# Altium PCB 反向放大器.PcbDoc
Units mm, origin at the board's own origin, x right, y up, seen from the top; angles counter-clockwise.
Board outline 40 x 40 mm, 2 copper layers (Top Layer, Bottom Layer); 13 components, 9 nets, 40 pads, 3 vias.
Unrouted connection lines stored in the file: 1.
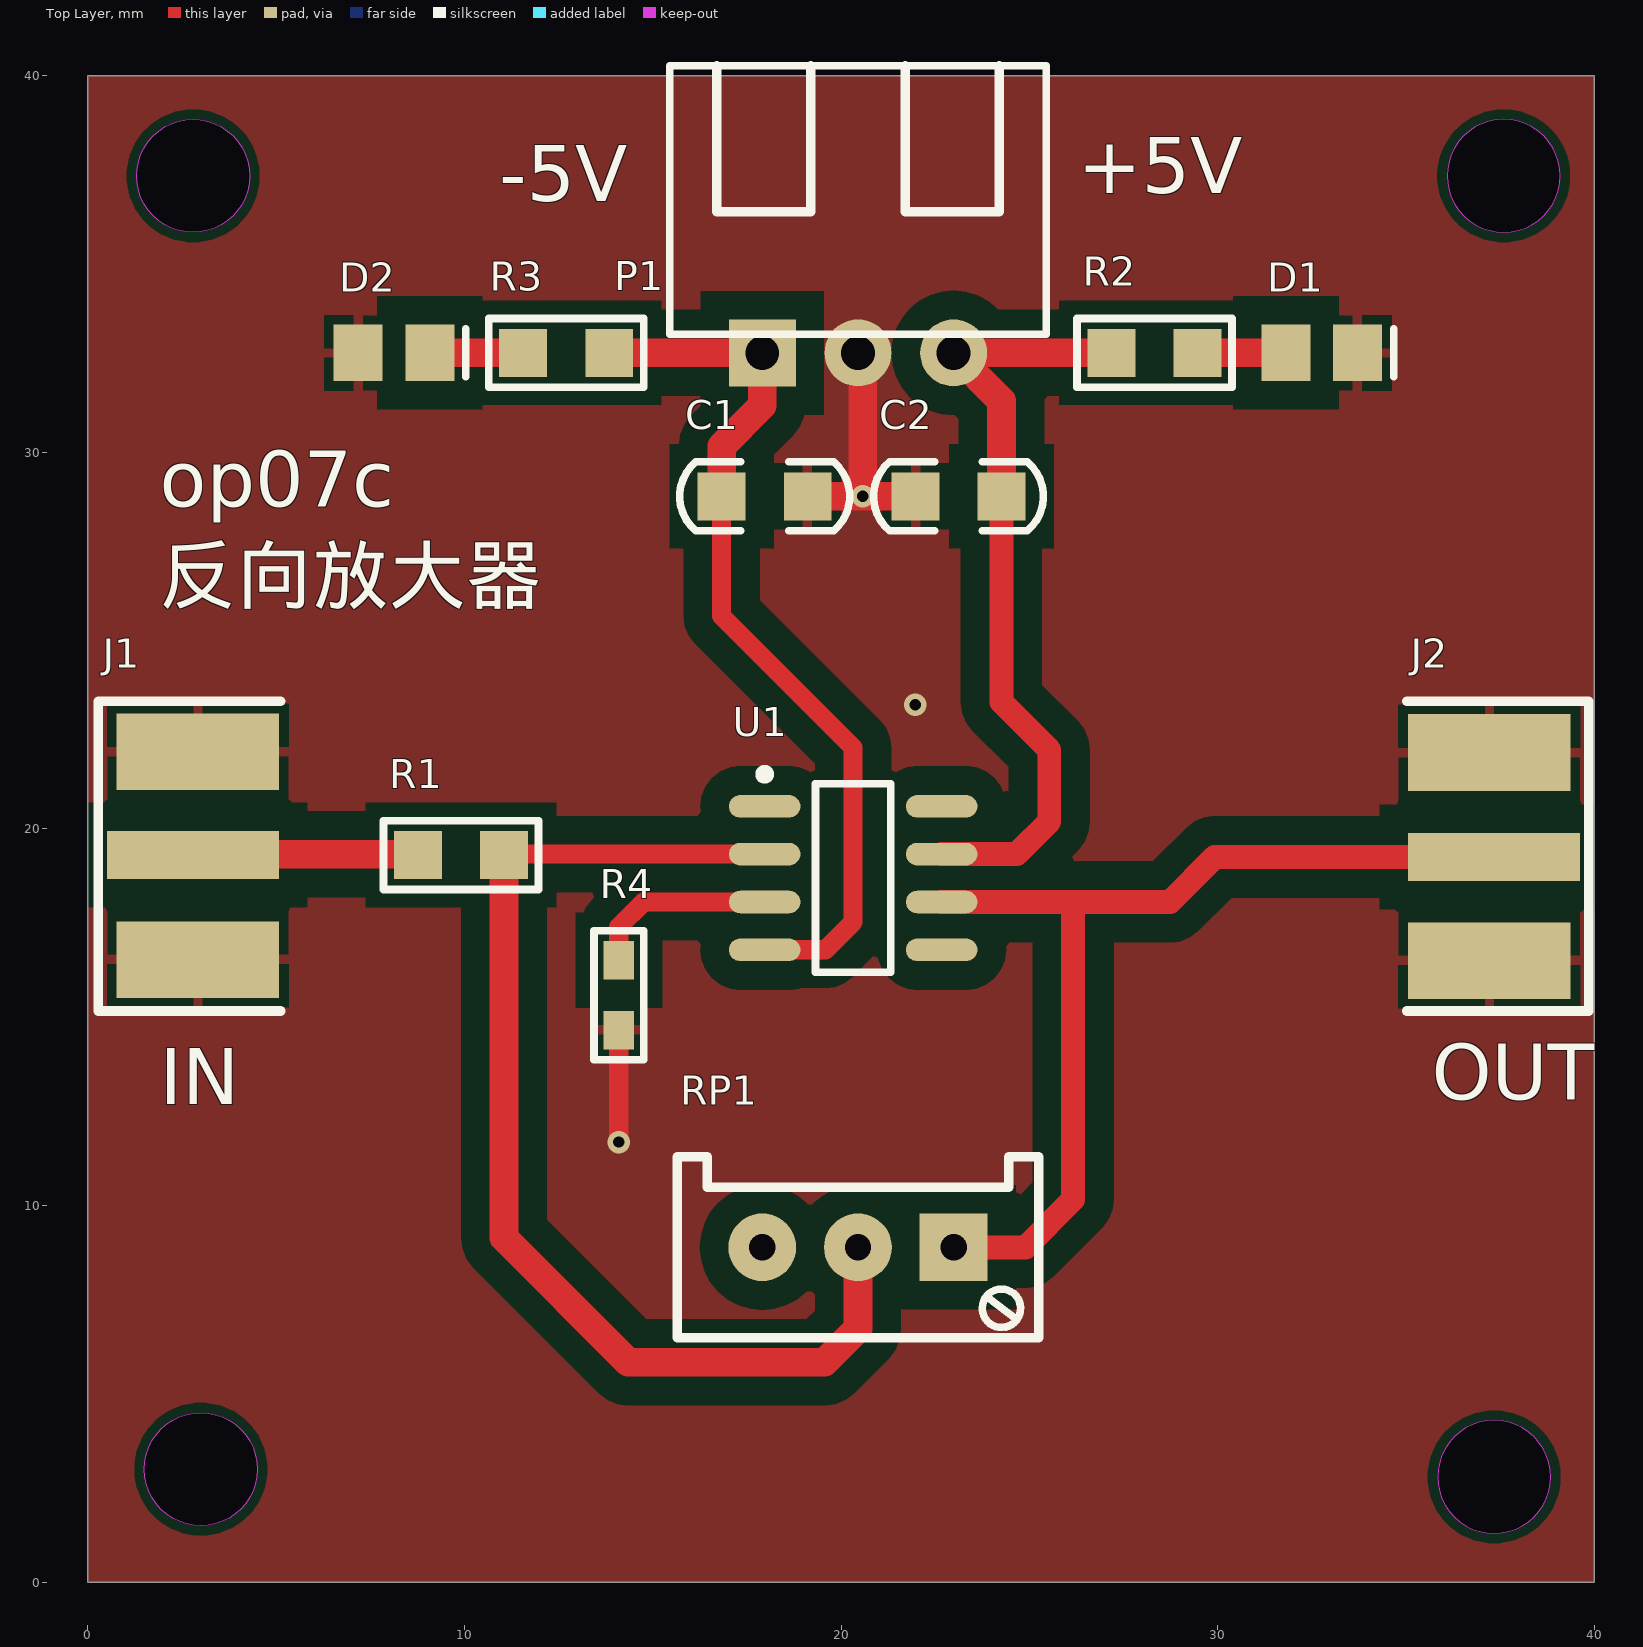
[diagram p0: Top Layer view]
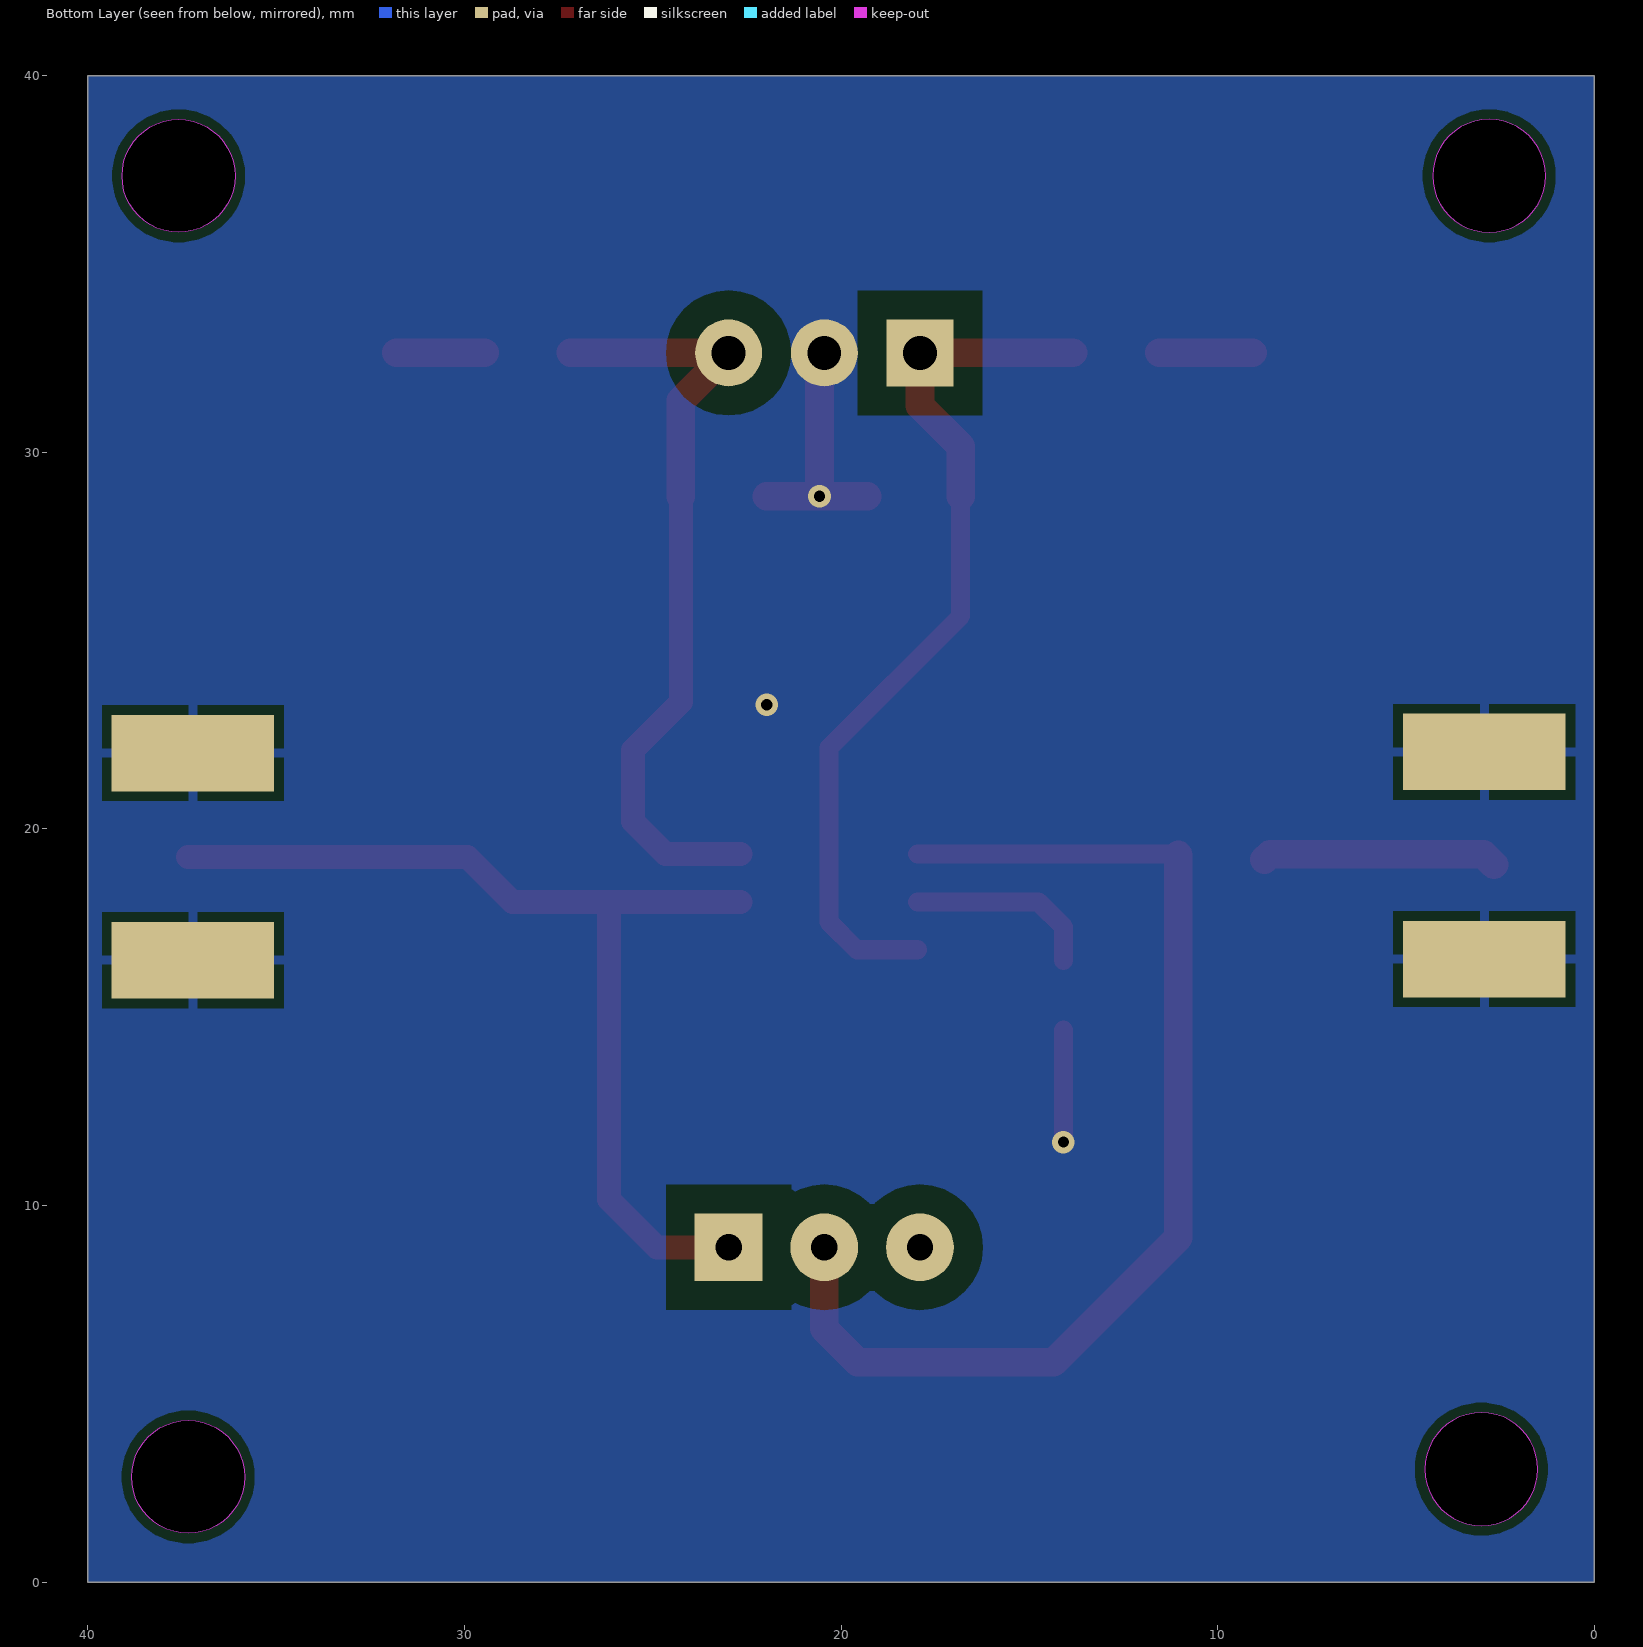
[diagram p1: Bottom Layer view, seen from below]
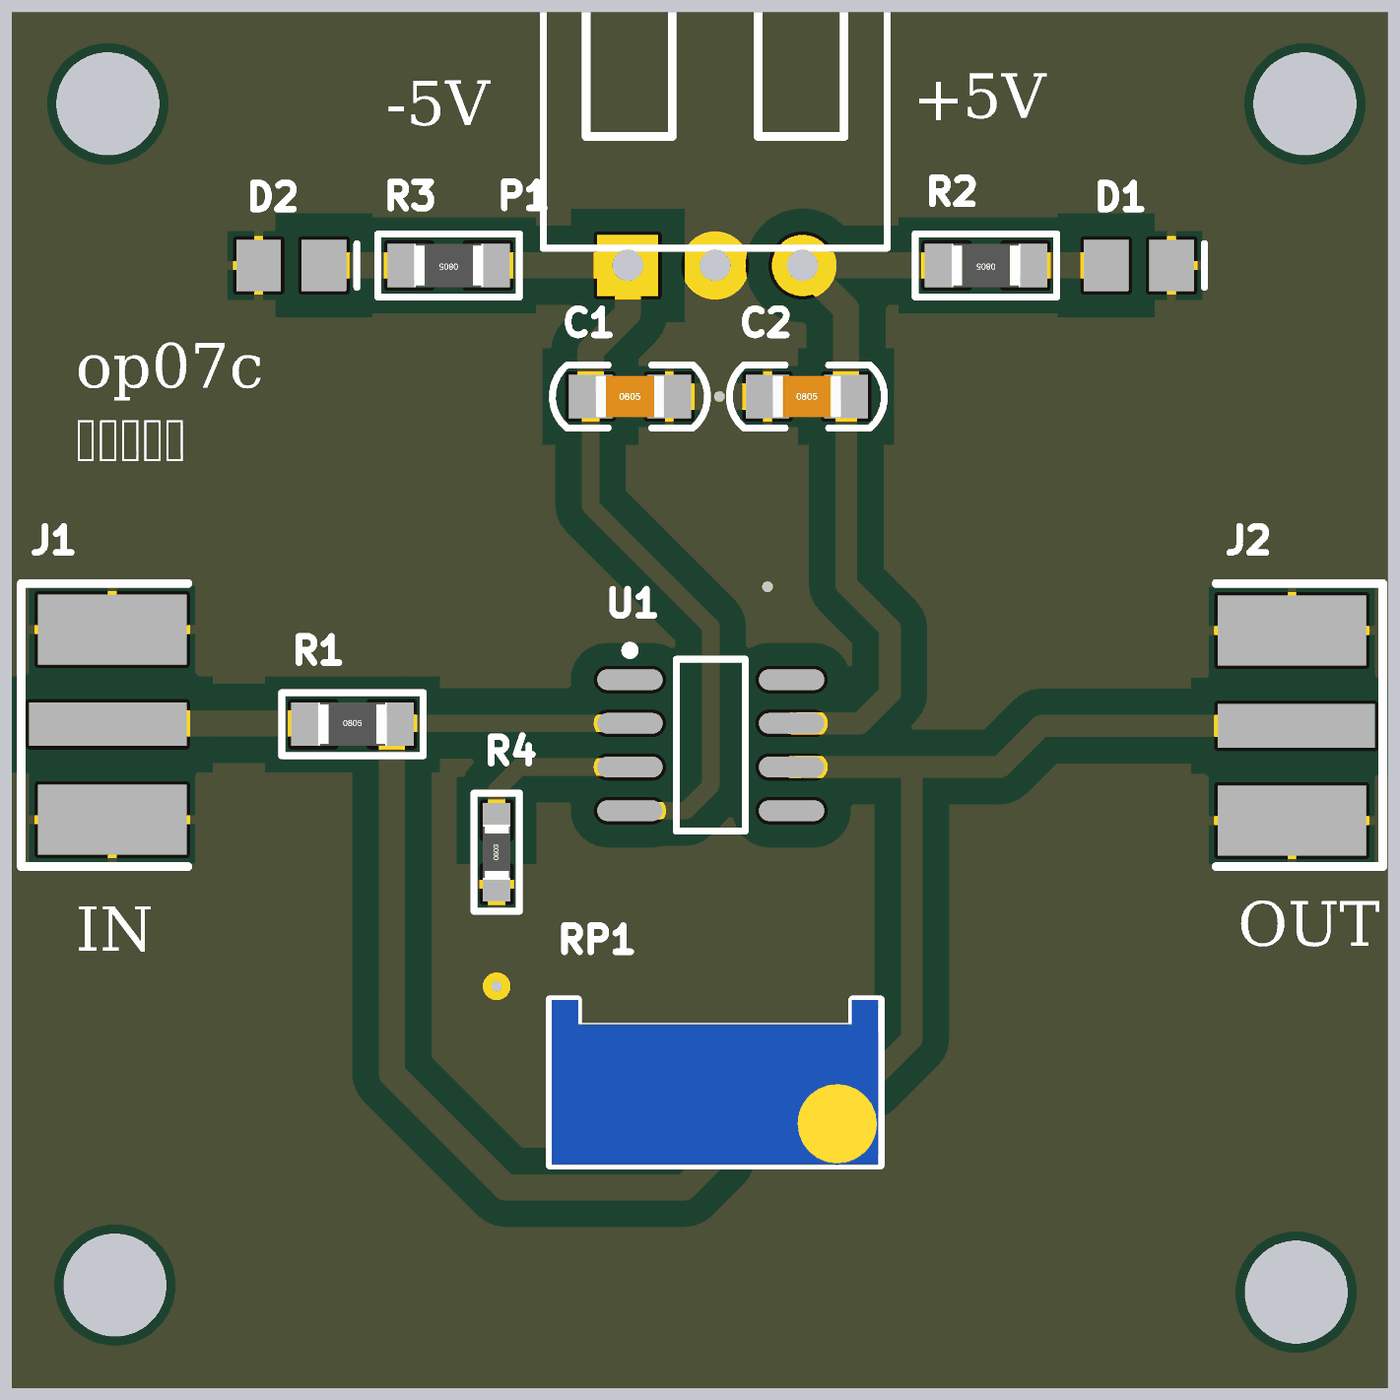
[diagram p2: 3D render of the assembled board from above, using the file's embedded part models]

## Layer stack, top to bottom
Top Solder: solder mask 0.0102, Solder Resist, Dk 3.5
Top Layer: signal copper 0.0356
Dielectric 1: dielectric 0.32, FR-4, Dk 4.8
Bottom Layer: signal copper 0.0356
Bottom Solder: solder mask 0.0102, Solder Resist, Dk 3.5

## Board outline
0,0 40,0 40,40 0,40
cut-out: 2.794,35.838 cw(c2.794,37.338) 1.294,37.338 cw(c2.794,37.338) 2.794,38.838 cw(c2.794,37.338) 4.294,37.338 cw(c2.794,37.338)
cut-out: 36.092,37.338 ccw(c37.592,37.338) 37.592,35.838 ccw(c37.592,37.338) 39.092,37.338 ccw(c37.592,37.338) 37.592,38.838 ccw(c37.592,37.338)
cut-out: 35.838,2.794 ccw(c37.338,2.794) 37.338,1.294 ccw(c37.338,2.794) 38.838,2.794 ccw(c37.338,2.794) 37.338,4.294 ccw(c37.338,2.794)
cut-out: 3,1.5 cw(c3,3) 1.5,3 cw(c3,3) 3,4.5 cw(c3,3) 4.5,3 cw(c3,3)

## Design rules (kind name [scope] priority, off if disabled: settings)
Clearance [All] p1: gap=0.254 ignorepadtopadclearanceinfootprint=FALSE except(0: Arc-Hole Track-Hole SMDPad-Hole THPad-Hole Via-Hole Fill-Hole Poly-Hole Region-Hole Text-Hole; 0.762: Arc-Poly Track-Poly SMDPad-Poly THPad-Poly Via-Poly Fill-Poly Poly-Poly)
PolygonConnect [All] p1: thpad.connectstyle=Direct thpad.reliefconductorwidth=0.254 thpad.reliefentries=4 thpad.polygonreliefangle="90 Angle" thpad.airgapwidth=0.254 smdpad.connectstyle=Relief smdpad.reliefconductorwidth=0.254 smdpad.reliefentries=4 smdpad.polygonreliefangle="90 Angle" smdpad.airgapwidth=0.254 via.connectstyle=Direct via.reliefconductorwidth=0.254 via.reliefentries=4 via.polygonreliefangle="90 Angle" via.airgapwidth=0.254
RoutingVias [All] p1: holewidth=0.711 width=2.54 viastyle="Through Hole" minholewidth=0.3 minwidth=0.6 maxholewidth=0.711 maxwidth=1.778
SolderMaskExpansion [All] p1: expansion=0.102
Width [All] p1: maxlimit=2.54 minlimit=0.254 preferedwidth=0.762
30 further rules are at their usual default settings.

## Components (designator, comment, footprint, x,y, rotation, side; value= is the part's Value field where it differs from the comment)
C1 "104" "C 0805" 17.97,28.829 r0 top
C2 "104" "C 0805" 23.114,28.829 r0 top
D1 "LED" LED_0805 32.766,32.639 r0 top
D2 "LED" LED_0805 8.128,32.639 r0 top
J1 "COAX" MCX5.08-5-H 2.794,19.304 r180 top
J2 "COAX" MCX5.08-5-H 37.338,19.253 r0 top
P1 "Header 3" HDR3X1_B2 20.447,32.639 r0 top
R1 "10K" "R 0805" 9.906,19.304 r0 top
R2 "1K" "R 0805" 28.321,32.639 r180 top
R3 "1K" "R 0805" 12.7,32.639 r180 top
R4 "0" "R 0603" 14.097,15.583 r90 top
RP1 "20K" 3296W 20.447,8.89 r180 top
U1 "OP07" SO8_L 20.32,18.694 r0 top

## Footprints (in the part's own frame and the unit in brackets; to place one, negate y for a bottom-side part, rotate by r counter-clockwise, add the part's x,y. Pads: shape width x height; smd on the part's side, far side on the other; paste and mask are expansions set on the pad)
3296W [mm] "Precise Multi-Winding Adjustable Resistor"
  rect 1.8x1.8 hole 0.7: 1(-2.54,0)
  round 1.8 hole 0.7: 2(0,0) 3(2.54,0)
  silkscreen extent -4.8,-2.4 4.8,2.4, body extent -4.75,-2.4 4.75,2.4, height 11.52
"C 0805" [mil] "无极性贴片电容"
  rect 50x50 smd: 1(-45,0) 2(45,0)
  silkscreen extent -89,-36 89,36, body extent -39,-24 39,24, height 20
HDR3X1_B2 [mil] "Connector; Header; 3 Position"
  rect 70x70 hole 35.43: 1(-100,0)
  round 70 hole 35.43: 2(0,0) 3(100,0)
  silkscreen extent -197,20 197,300, body extent -197,20 197,300, height 236
LED_0805 [mm] "贴片二极管"
  rect 1.3x1.5 smd: 1(-0.95,0) 2(0.95,0)
  silkscreen extent 1.91,-0.64 1.91,0.64
MCX5.08-5-H [mil]
  rect 180x50 smd: 1(0,0)
  rect 170x80 smd: 2(-5,109.25) 5(-5,-108.27)
  rect 170x80 smd far side: 3(-5,108.66) 4(-5,-107.87)
  silkscreen extent -92,-161 99,163, body extent -93,-132 80,134, height 39
"R 0603" [mil] "1/10W贴片电阻"
  rect 40x31.5 smd: 1(-36.5,0) 2(36.5,0)
  silkscreen extent -68,-26 68,26, body extent -31,-16 32,16, height 16
"R 0805" [mil] "1/8W贴片电阻"
  rect 50x50 smd: 1(-45,0) 2(45,0)
  silkscreen extent -81,-36 81,36, body extent -39,-25 39,25, height 20
SO8_L [mm] "SOIC, 8-Leads, Body 4.9x3.9mm, Pitch 1.27mm, IPC High Density"
  oval 1.9x0.6 smd: 1(-2.35,1.905) 2(-2.35,0.635) 3(-2.35,-0.635) 4(-2.35,-1.905) 5(2.35,-1.905) 6(2.35,-0.635) 7(2.35,0.635) 8(2.35,1.905)
  silkscreen extent -2.47,-2.5 1,2.88, body extent -2,-2.5 2,2.5, height 1.75

## Part data
C1 C2: library part C, "无极性贴片电容"
D1 D2: "发光二极管", LatestRevisionDate=08-Jul-2005, LatestRevisionNote="Mech Layer 1 removed.", PackageReference=LED, Published=8-Jun-2000, Publisher="Altium Limited"
P1: "接插件", LatestRevisionDate=17-Jul-2002, LatestRevisionNote="Re-released for DXP Platform.", Publisher="Altium Limited"
R1 R2 R3 R4: library part R, "贴片电阻"
RP1: library part RP-ID, "插件单联电位器"
U1: "Precision Operational Amplifiers"

## Via types
v1: diameter 0.6, hole 0.3, Top Layer to Bottom Layer, tented both sides, 2 vias
v2: diameter 0.6, hole 0.3, Top Layer to Bottom Layer, 1 vias

## Nets (pads, with @x,y where several pads share a name; then routed paths per layer and width w, separated by ;. In a path a pad name is that pad's centre, name@x,y a point inside that pad or via, vN(x,y) a via of type N, cw(c..) or ccw(c..) an arc to the next point about the centre after c; other vN are vias at no path point)
GND: C1.2 C2.1 D1.2 D2.1 J1.2 J1.3 J1.4 J1.5 J2.2 J2.3 J2.4 J2.5 P1.2 R4.1 | length 9.5
  Top Layer w0.508: v2(14.097,11.684) R4.1
  Top Layer w0.762: C1.2@19.304,28.829 v1(20.574,28.829) ; P1.2 20.574,32.512 v1(20.574,28.829) ; C2.1 v1(20.574,28.829)
  other v1: 21.971,23.298
NetD1_1: D1.1 R2.1 | length 2.4
  Top Layer w0.762: R2.1 D1.1
NetD2_2: D2.2 R3.2 | length 2.5
  Top Layer w0.762: D2.2 R3.2
NetJ1_1: J1.1 R1.1 | length 6.3
  Top Layer w0.762: J1.1@2.667,19.05 2.946,19.329 8.611,19.329 R1.1@8.763,19.177
NetJ2_1: J2.1 RP1.1 U1.6 | length 26.8
  Top Layer w0.635: U1.6 26.162,18.059 ; RP1.1 24.892,8.89 26.162,10.16 26.162,18.059 ; J2.1 29.921,19.253 28.727,18.059 26.162,18.059
NetR1_2: R1.2 RP1.2 U1.2 | length 30.4
  Top Layer w0.508: R1.2@11.049,19.177 11.201,19.329 U1.2
  Top Layer w0.762: R1.2 11.049,19.177 11.049,9.144 14.351,5.842 19.558,5.842 20.447,6.731 RP1.2
NetR4_2: R4.2 U1.3 | length 5
  Top Layer w0.508: R4.2 14.097,17.399 14.757,18.059 U1.3
VCC: C2.2 P1.3 R2.2 U1.7 | length 20.9
  Top Layer w0.635: U1.7 24.663,19.329 25.527,20.193 25.527,22.098 24.257,23.368 C2.2
  Top Layer w0.762: C2.2 24.257,31.369 P1.3 R2.2
VEE: C1.1 P1.1 R3.1 U1.4 | length 23.7
  Top Layer w0.508: C1.1 16.827,25.648 20.32,22.155 20.32,17.526 19.583,16.789 U1.4
  Top Layer w0.762: R3.1 P1.1 17.907,31.242 16.827,30.162 C1.1
pads on no net: RP1.3 U1.1 U1.5 U1.8

## Polygon pours and split planes (outlines as drawn)
GND on Top Layer "Top Layer-No Net" (solid, remove dead copper, pour order 8): 0,0 40,0 40,40 0,40
GND on Bottom Layer "Top Layer-No Net1" (solid, remove dead copper, pour order 9): 0,0 40,0 40,40 0,40

## Silkscreen, mask and mechanical layers (free items; w line width, h text height)
Top Overlay:
  text "+5V" at 26.289,36.382 h2.54
  text "-5V" at 10.922,36.173 h2.54
  text "op07c / 反向放大器" at 1.905,25.527 h2.54
  text "OUT" at 35.687,12.319 h2.54
  text "IN" at 1.905,12.192 h2.54
Mechanical 1:
  circle w0.254: c2.794,37.338 r1.5
  circle w0.254: c37.592,37.338 r1.5
  circle w0.254: c37.338,2.794 r1.5
  circle w0.254: c3,3 r1.5
  lines w0.254: 0,0 0,40 40,40 40,0 0,0